# Altium PCB Copy of Back up 4.PcbDoc (part 1 of 3) (continued)
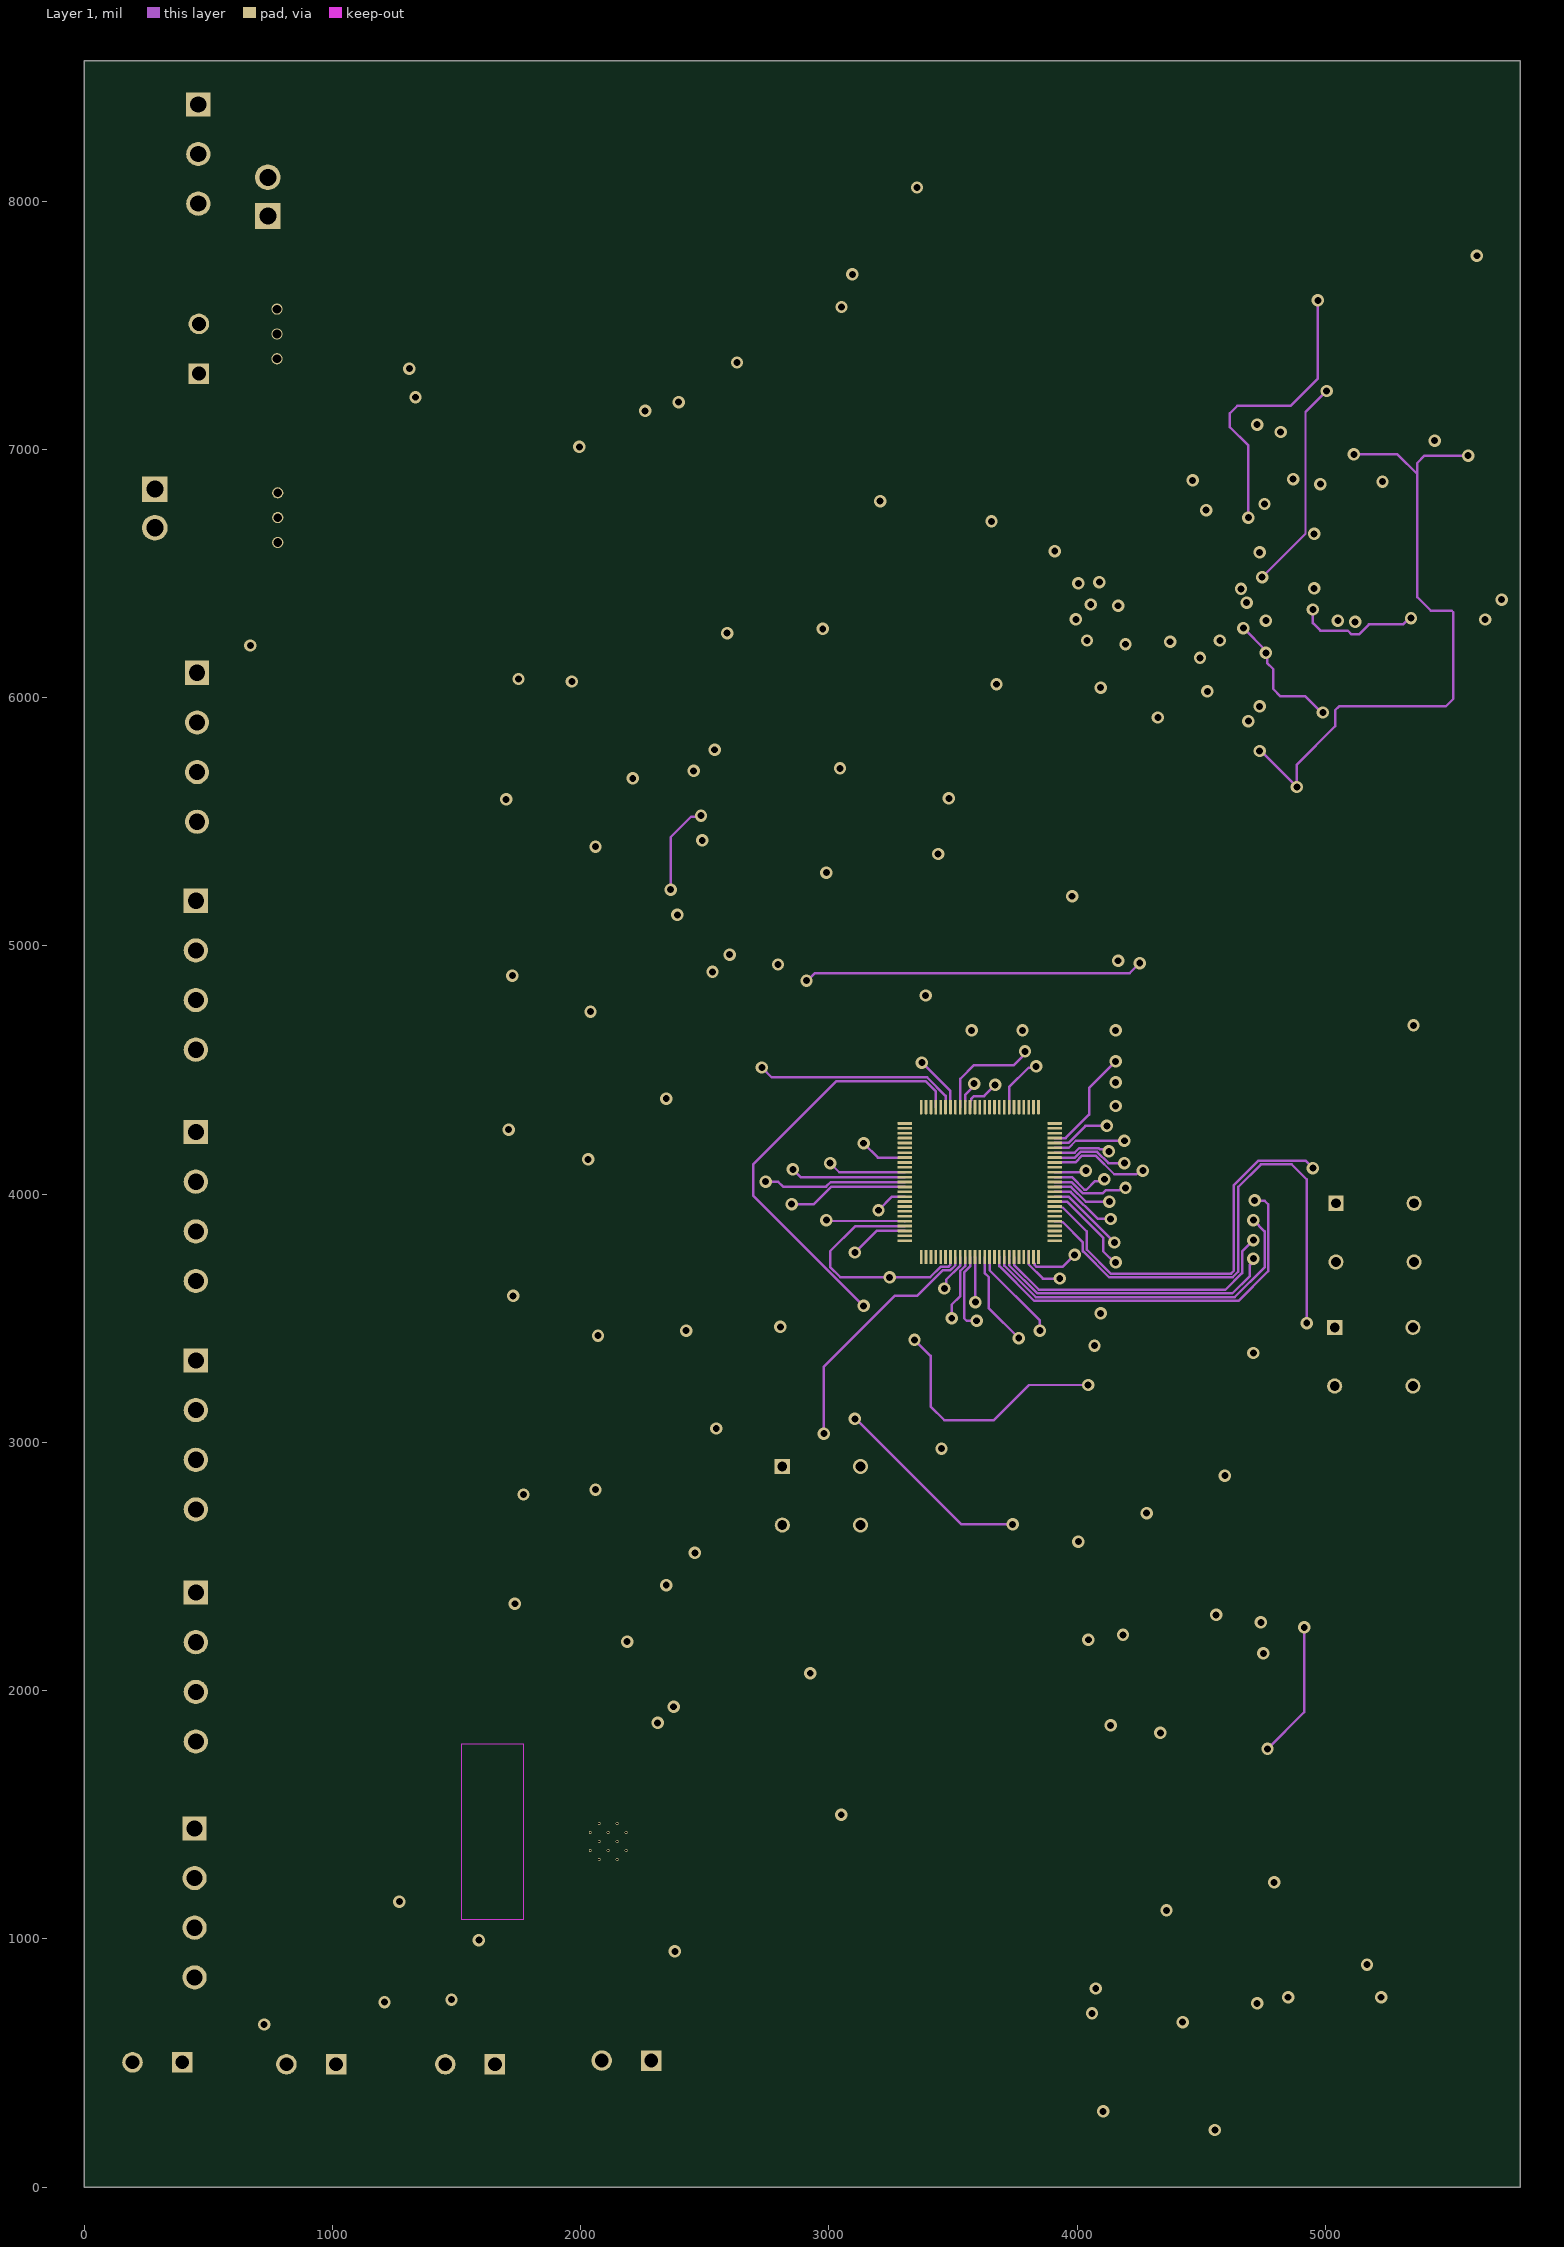
[diagram p3: Layer 1]
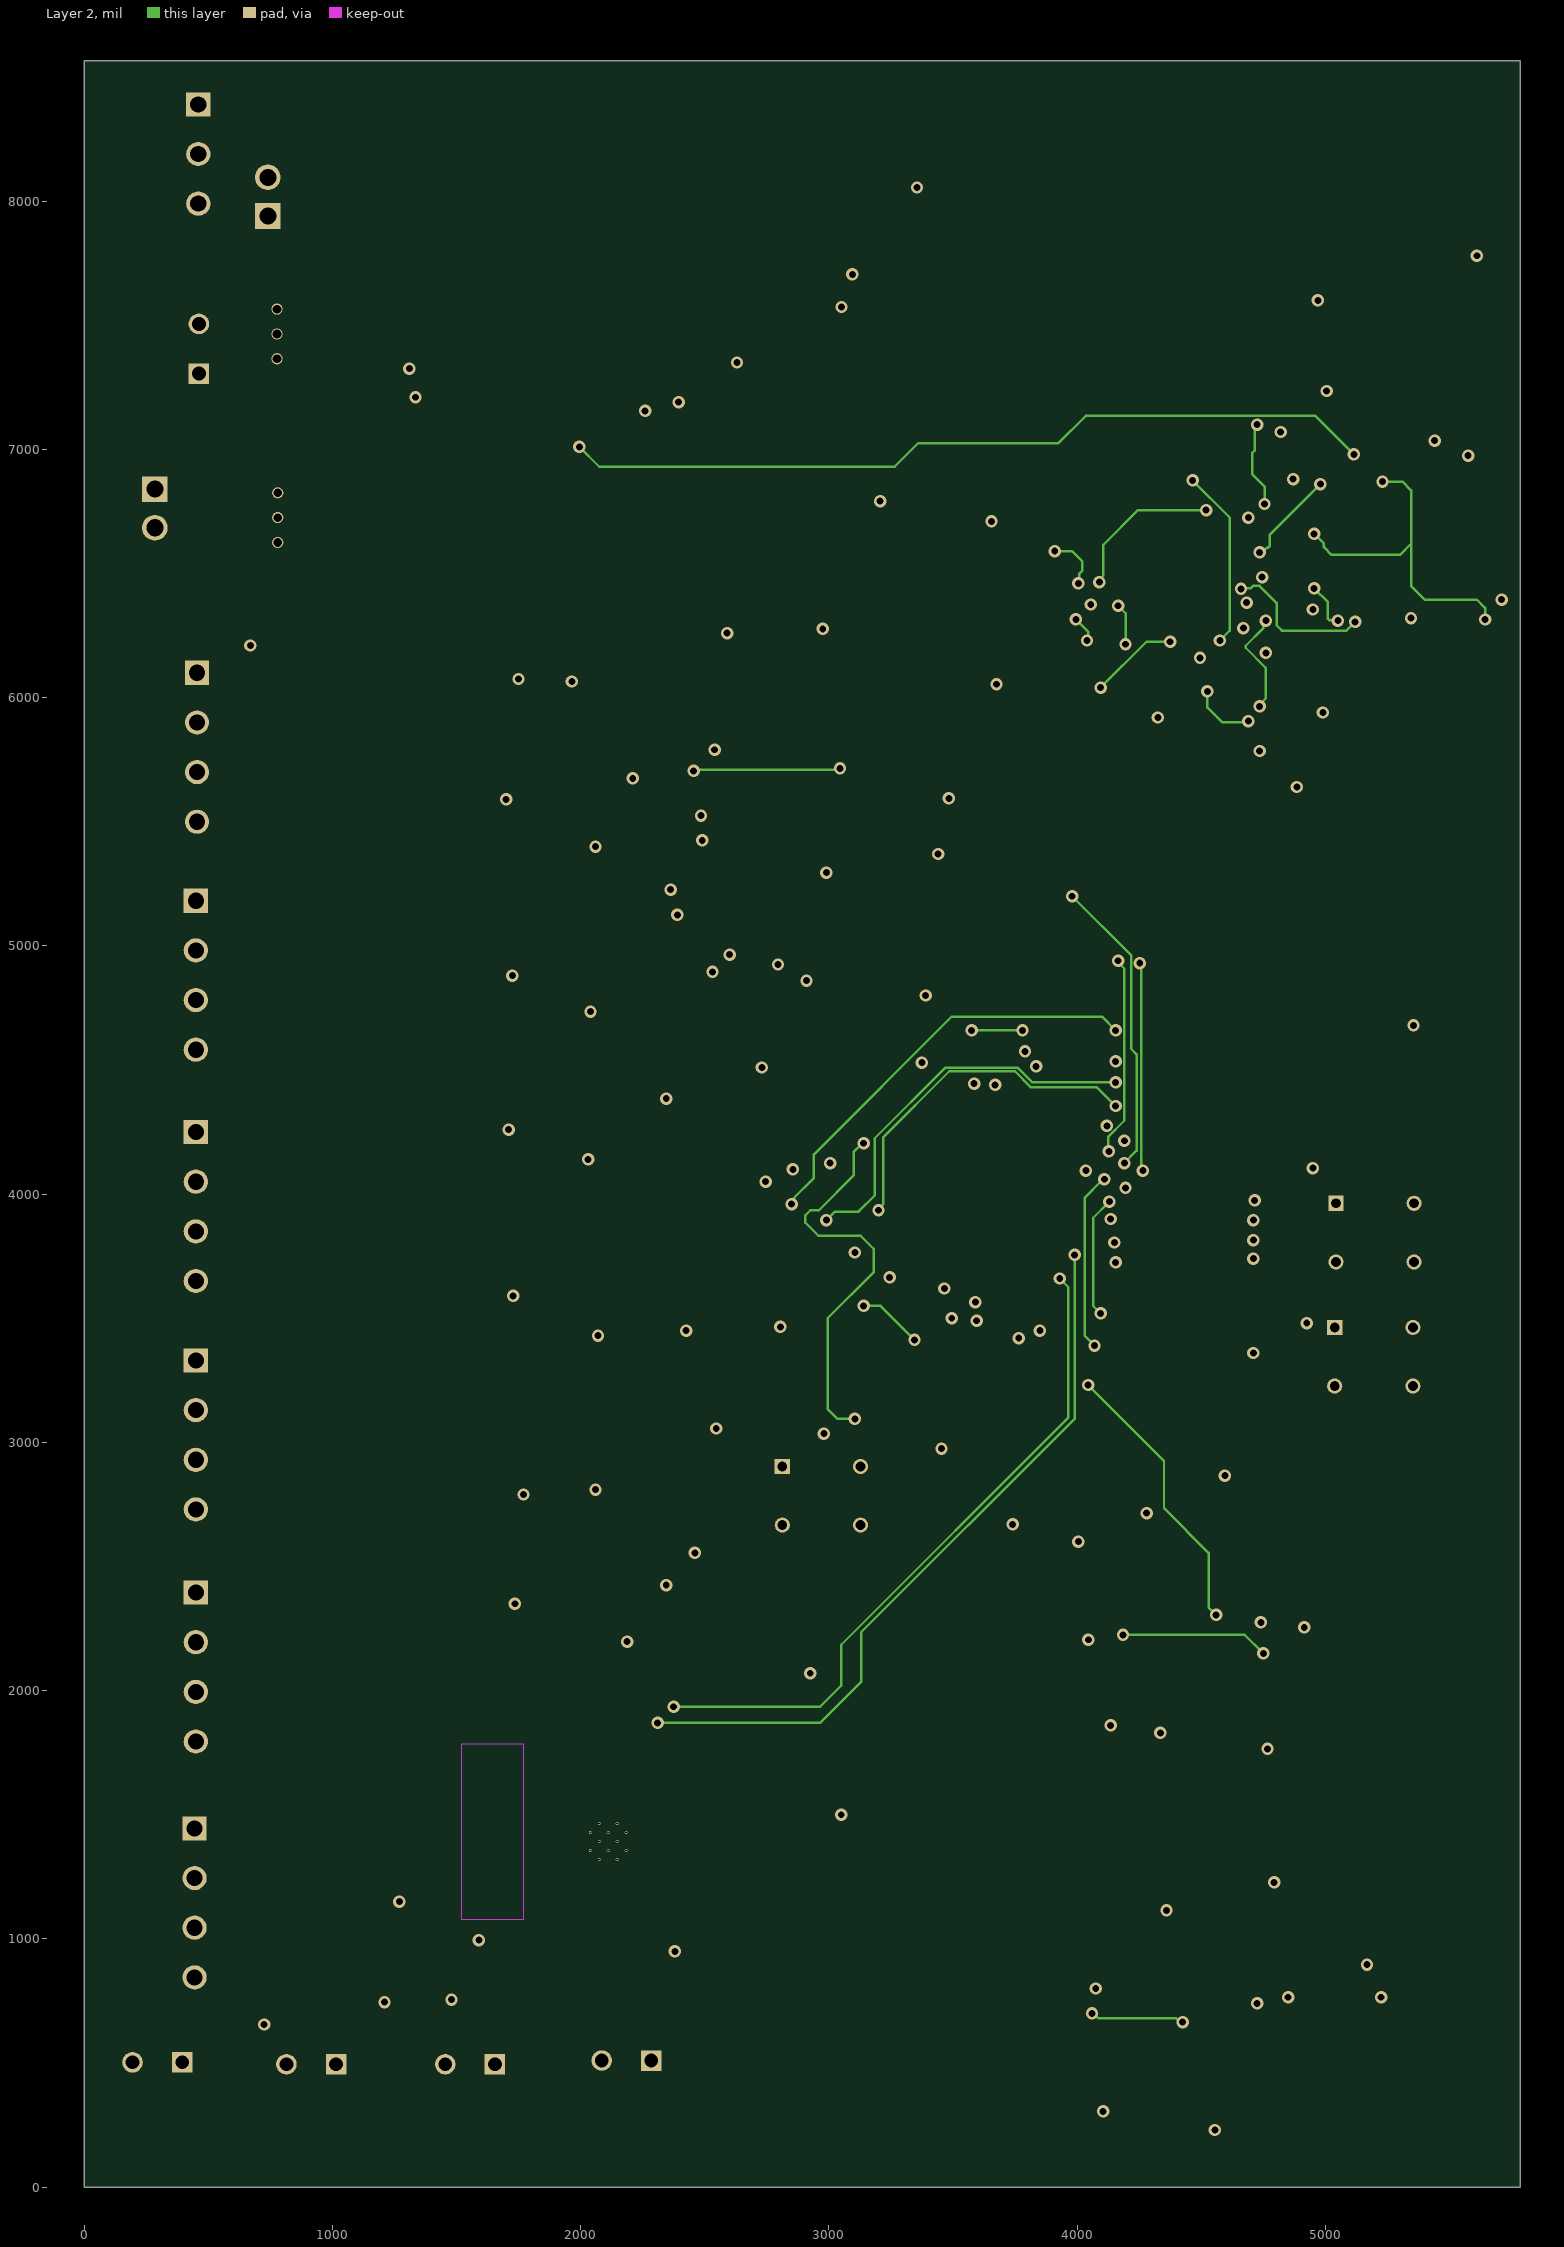
[diagram p4: Layer 2]
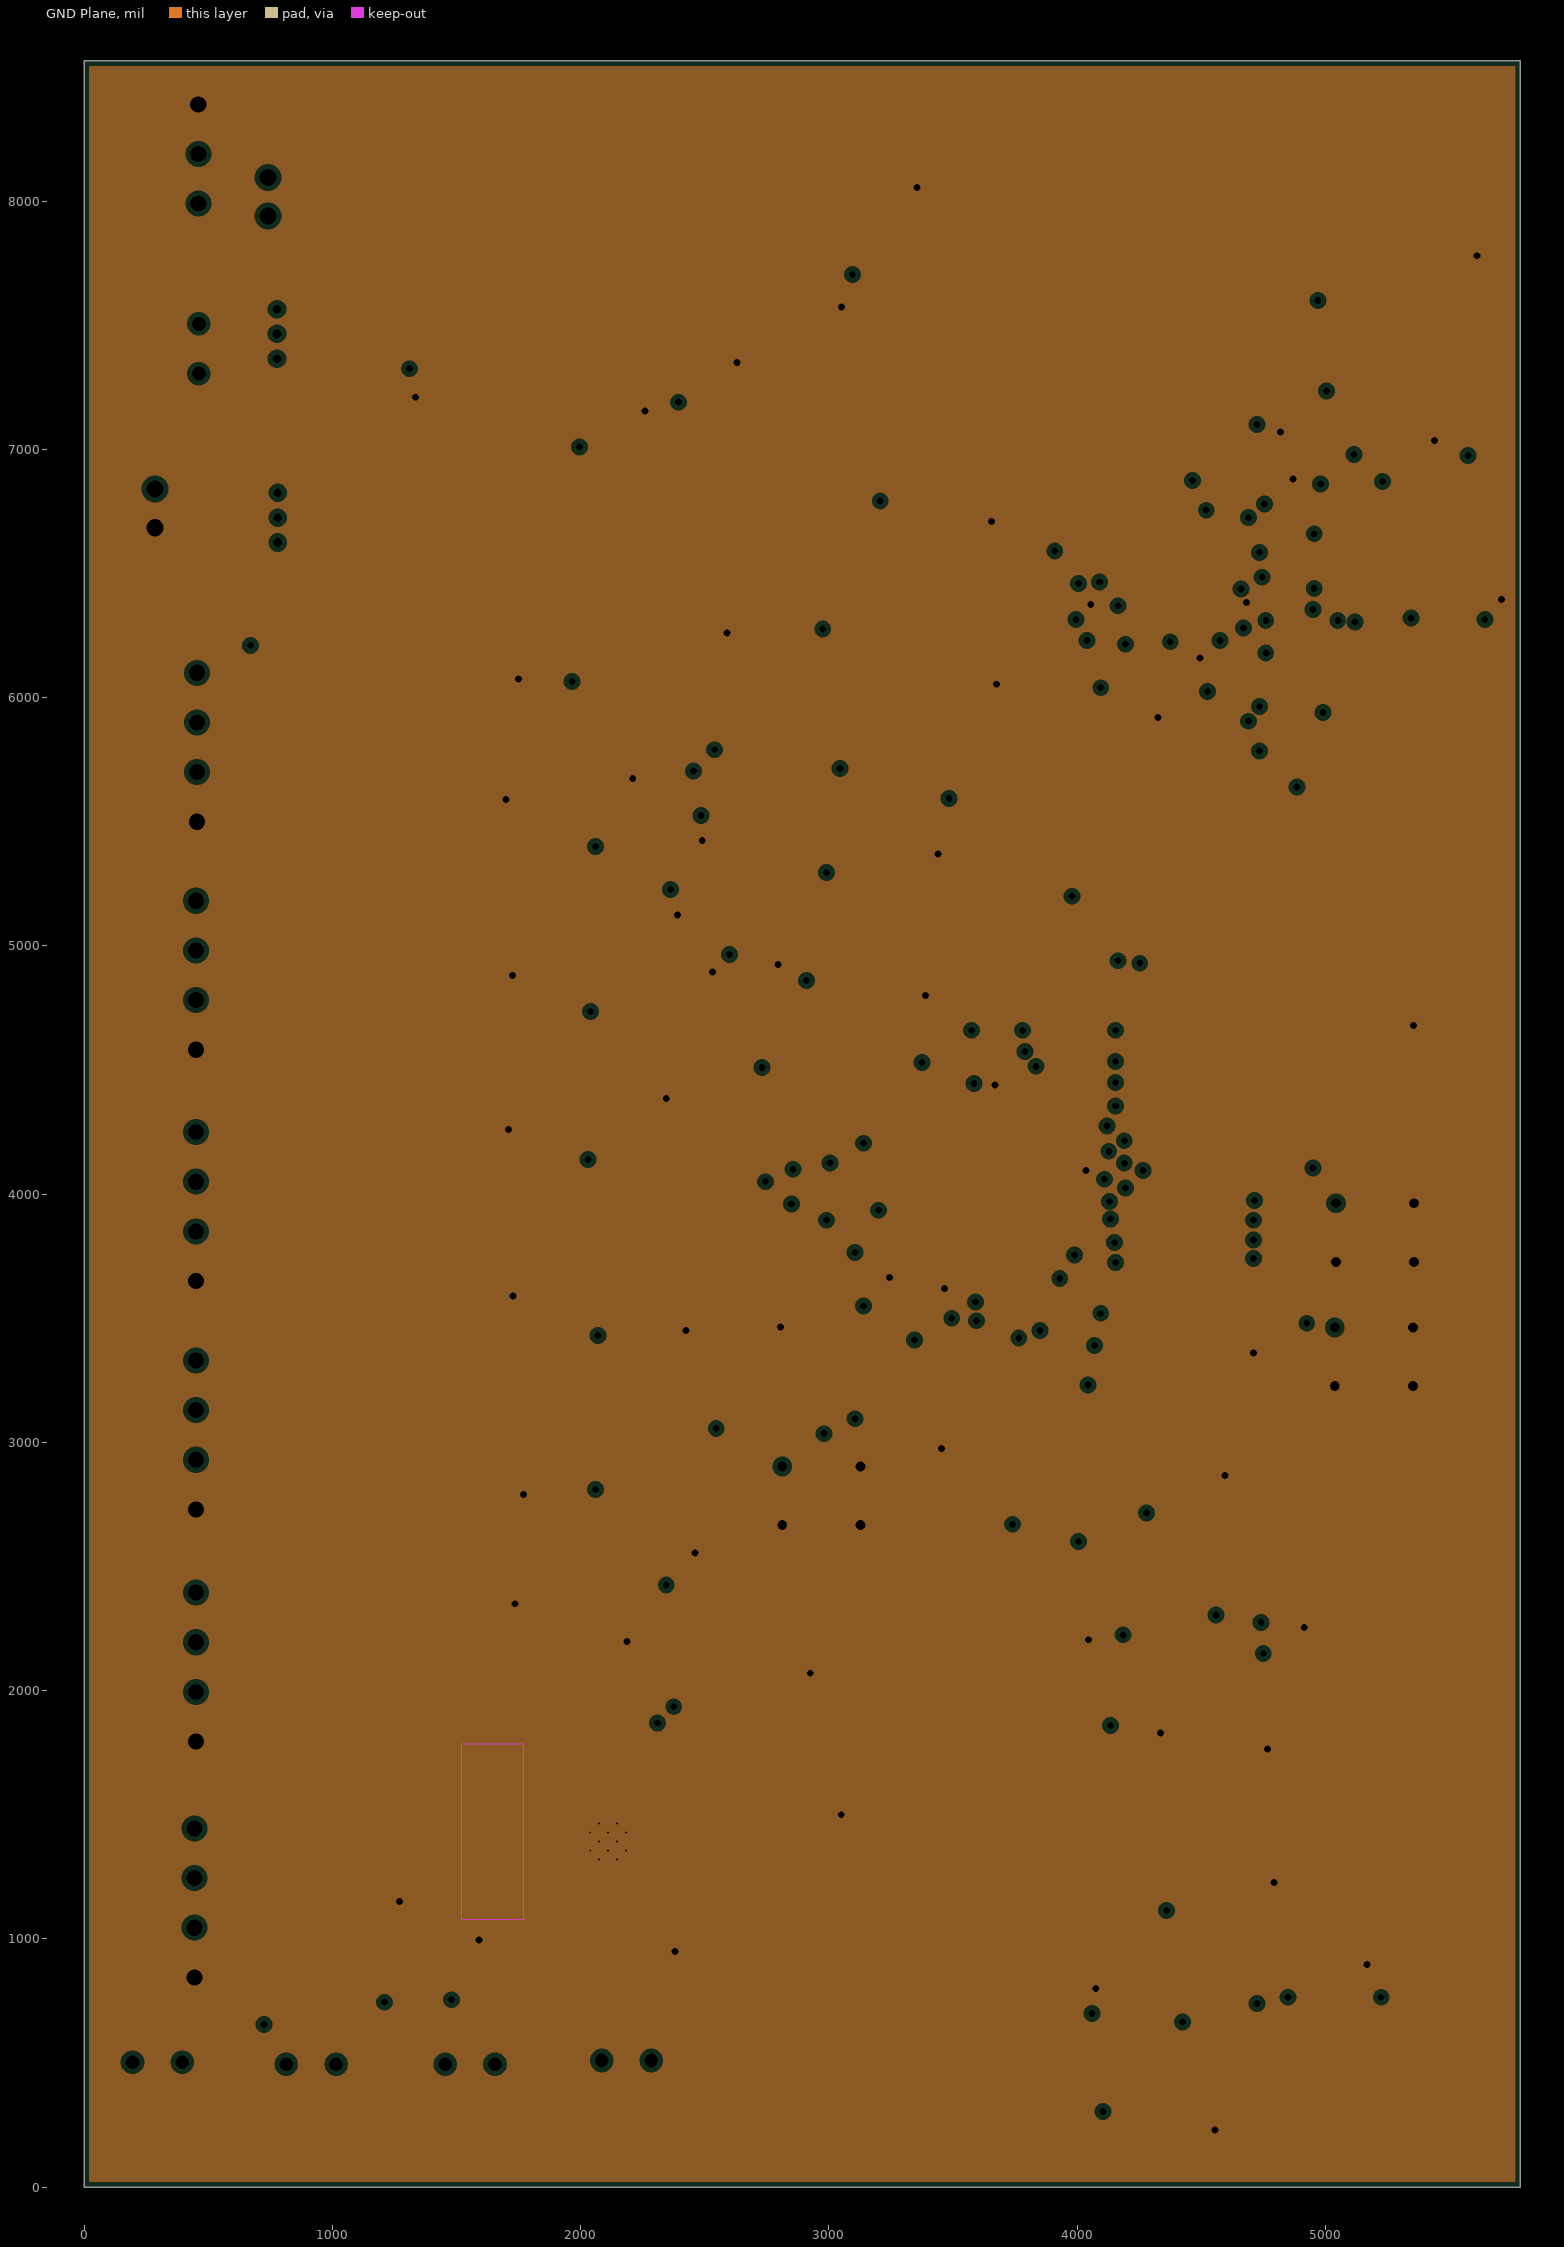
[diagram p5: GND Plane, clearances drawn from the general rule]

## Layer stack, top to bottom
Top Solder: solder mask 0.4, Solder Resist, Dk 3.5
Top Layer: signal copper 1.6
Dielectric 4: prepreg 2.8, PP-006, Dk 4.1
PWR Plane: plane copper 1.6, net (Multiple Nets)
Dielectric 6: prepreg 2.8, PP-006, Dk 4.1
Layer 1: signal copper 1.6
Dielectric 2: prepreg 2.8, PP-006, Dk 4.1
Dielectric 1: prepreg 12.6, FR-4, Dk 4.8
Dielectric 3: prepreg 2.8, PP-006, Dk 4.1
Layer 2: signal copper 1.6
Dielectric 7: prepreg 2.8, PP-006, Dk 4.1
GND Plane: plane copper 1.6, net GND
Dielectric 5: prepreg 2.8, PP-006, Dk 4.1
Bottom Layer: signal copper 1.6
Bottom Solder: solder mask 0.4, Solder Resist, Dk 3.5

## Board outline
0,0 5785,0 5785,8565 0,8565

## Design rules (kind name [scope] priority, off if disabled: settings)
Clearance Clearance_1 [All] p1: gap=5 ignorepadtopadclearanceinfootprint=FALSE except(0: THPad-Hole Via-Hole Fill-Hole Poly-Hole Region-Hole Text-Hole; 10: THPad-THPad THPad-Via THPad-Fill THPad-Poly THPad-Region THPad-Text Via-Via Via-Fill Via-Poly Via-Region Via-Text Fill-Fill Fill-Poly Fill-Region Fill-Text Poly-Poly Poly-Region Poly-Text Region-Region Region-Text Text-Text)
Clearance [All] p2: gap=10 ignorepadtopadclearanceinfootprint=TRUE except(0: Arc-Hole Track-Hole SMDPad-Hole THPad-Hole Via-Hole Fill-Hole Poly-Hole Region-Hole Text-Hole)
PlaneClearance [All] p1: clearance=20
PlaneConnect [All] p1: planeconnectstyle=Relief reliefexpansion=20 reliefentries=4 reliefconductorwidth=10 reliefairgap=10
PolygonConnect [All] p1: connectstyle=Relief reliefconductorwidth=10 reliefentries=4 polygonreliefangle="90 Angle" airgapwidth=10
RoutingVias [All] p1: holewidth=28 width=50 viastyle="Through Hole" minholewidth=28 minwidth=50 maxholewidth=28 maxwidth=50
SolderMaskExpansion [All] p1: expansion=4 istentingtop=FALSE
Width [All] p1: maxlimit=10 minlimit=5 preferedwidth=10 minimp=50.000000 maximp=50.000000 favimp=50.000000
28 further rules are at their usual default settings.

## Classes and differential pairs
channel class Dual_Flowmeter: U_Dual_Flowmeter1 U_Dual_Flowmeter2
component class U_Dual_Flowmeter2: C21_U_Dual_Flowmeter2 C22_U_Dual_Flowmeter2 C25_U_Dual_Flowmeter2 C26_U_Dual_Flowmeter2 C27_U_Dual_Flowmeter2 C28_U_Dual_Flowmeter2 R16_U_Dual_Flowmeter2 R17_U_Dual_Flowmeter2 R18_U_Dual_Flowmeter2 R19_U_Dual_Flowmeter2 R20_U_Dual_Flowmeter2 R21_U_Dual_Flowmeter2 R22_U_Dual_Flowmeter2 R23_U_Dual_Flowmeter2 R24_U_Dual_Flowmeter2 R25_U_Dual_Flowmeter2 R26_U_Dual_Flowmeter2 R27_U_Dual_Flowmeter2 R28_U_Dual_Flowmeter2 R29_U_Dual_Flowmeter2 U10_U_Dual_Flowmeter2
component class U_Dual_Flowmeter1: C21_U_Dual_Flowmeter1 C22_U_Dual_Flowmeter1 C25_U_Dual_Flowmeter1 C26_U_Dual_Flowmeter1 C27_U_Dual_Flowmeter1 C28_U_Dual_Flowmeter1 R16_U_Dual_Flowmeter1 R17_U_Dual_Flowmeter1 R18_U_Dual_Flowmeter1 R19_U_Dual_Flowmeter1 R20_U_Dual_Flowmeter1 R21_U_Dual_Flowmeter1 R22_U_Dual_Flowmeter1 R23_U_Dual_Flowmeter1 R24_U_Dual_Flowmeter1 R25_U_Dual_Flowmeter1 R26_U_Dual_Flowmeter1 R27_U_Dual_Flowmeter1 R28_U_Dual_Flowmeter1 R29_U_Dual_Flowmeter1 U10_U_Dual_Flowmeter1
channel class 4-20mA: U_4-20mA1 U_4-20mA2 U_4-20mA3 U_4-20mA4 U_4-20mA5 U_4-20mA6
component class U_PowerSystem: C31 C32 C33 C34 CR5 J8 J9 J10 "JP 1" U8 U9
component class U_MCU: C1 C2 C3 C4 C5 CU1 CU2 "L VSW1" "R AV1" RCore1 U1
component class "U_HFX LFX": CH1 CH2 CL1 CL2 Y1 Y2
component class U_Dual_Flowmeter_Interface: J11 J12 J13 J14
component class U_ESP32: C7 C8 C9 J1 R2 R3 R4 R5 S1 S2 U2
component class "U_Button and more": C6 JEPD1 R1 SW1 SW2 SW3
component class "U_Analog to Digital": CA1 CA2 CA3 CA4 CA5 CA6 U5 U6 "YA 1"
component class U_24V_DCDC_Conv: C18 C19 C24 C29 C41 C44 C45 C46 C47 C48 C49 C50 C53 CR6 CR7 CR8 CR9 D3 IC6 L3 Q5 Q6 Q7 Q8 R30 R31 R32 R33 R34 R35 R36 R37 R38 R39
component class U_5V_DCDC_Conv: C15 C16 C17 C23 D1 L1 U7
component class U_4-20mA_Inputs_(3-6): J5 J6 J7
component class U_4-20mA_Inputs_(1-3): J2 J3 J4
component class U_4-20mA6: _U_1_U_4-20mA6 _U_4-20mA6 _U_4-20mA6_U_4-20mA6 C12_U_4-20mA6 C20_U_4-20mA6 CF3_U_4-20mA6 F1_U_4-20mA6 RF1_U_4-20mA6 RF2_U_4-20mA6 U3_U_4-20mA6
component class U_4-20mA5: _U_1_U_4-20mA5 _U_4-20mA5 _U_4-20mA6_U_4-20mA5 C12_U_4-20mA5 C20_U_4-20mA5 CF3_U_4-20mA5 F1_U_4-20mA5 RF1_U_4-20mA5 RF2_U_4-20mA5 U3_U_4-20mA5
component class U_4-20mA4: _U_1_U_4-20mA4 _U_4-20mA4 _U_4-20mA6_U_4-20mA4 C12_U_4-20mA4 C20_U_4-20mA4 CF3_U_4-20mA4 F1_U_4-20mA4 RF1_U_4-20mA4 RF2_U_4-20mA4 U3_U_4-20mA4
component class U_4-20mA3: _U_1_U_4-20mA3 _U_4-20mA3 _U_4-20mA6_U_4-20mA3 C12_U_4-20mA3 C20_U_4-20mA3 CF3_U_4-20mA3 F1_U_4-20mA3 RF1_U_4-20mA3 RF2_U_4-20mA3 U3_U_4-20mA3
component class U_4-20mA2: _U_1_U_4-20mA2 _U_4-20mA2 _U_4-20mA6_U_4-20mA2 C12_U_4-20mA2 C20_U_4-20mA2 CF3_U_4-20mA2 F1_U_4-20mA2 RF1_U_4-20mA2 RF2_U_4-20mA2 U3_U_4-20mA2
component class U_4-20mA1: _U_1_U_4-20mA1 _U_4-20mA1 _U_4-20mA6_U_4-20mA1 C12_U_4-20mA1 C20_U_4-20mA1 CF3_U_4-20mA1 F1_U_4-20mA1 RF1_U_4-20mA1 RF2_U_4-20mA1 U3_U_4-20mA1
component class U_3.3V_Regulator: C10 C11 C13 C14 U4

## Components (designator, comment, footprint, x,y, rotation, side; value= is the part's Value field where it differs from the comment)
_U_1_U_4-20mA1 "1KSMB39CA" 1KSMBSeries_LTF 1052.08,4505 r270 top (schematic designator _U_1)
_U_1_U_4-20mA2 "1KSMB39CA" 1KSMBSeries_LTF 965,5840 r270 top (schematic designator _U_1)
_U_1_U_4-20mA3 "1KSMB39CA" 1KSMBSeries_LTF 1057.08,5188.49 r270 top (schematic designator _U_1)
_U_1_U_4-20mA4 "1KSMB39CA" 1KSMBSeries_LTF 1055,2625.98 r270 top (schematic designator _U_1)
_U_1_U_4-20mA5 "1KSMB39CA" 1KSMBSeries_LTF 1077.08,3218.99 r270 top (schematic designator _U_1)
_U_1_U_4-20mA6 "1KSMB39CA" 1KSMBSeries_LTF 1060,3875 r270 top (schematic designator _U_1)
C1 "T520A106M010ATE080" FP-T520A106M010ATE080-MFG 2925,3235.44 r270 top
C2 "CGA3E2X7R1H104K080AA" FP-CGA3E-0_3-0_1-IPC_A 3190,3220 r270 top
C3 "CGA3E2X7R1H104K080AA" FP-CGA3E-0_3-0_1-IPC_A 3325,3220 r270 top
C4 "CGA3E2X7R1H104K080AA" FP-CGA3E-0_3-0_1-IPC_A 2660,3233.2 r90 top
C5 "CGA3E2X7R1H104K080AA" FP-CGA3E-0_3-0_1-IPC_A 2790,3233.2 r90 top
C6 "12067C102KAT2A" CAPC3216X102X50LL20T25 2660,2680 r90 top
C7 "12063D106KAT2A" CAPC3216X229X50LL20T25 1210.85,966.26 r90 top
C8 "C1206C104K5RACTU" KEMT-1206-2_M 1380.85,970.32 r90 top
C9 "C1206C104K5RACTU" KEMT-1206-2_M 2100.85,951.26 r180 top
C10 "UUR1C221MCL6GS" FP-UUR1C221MCL6GS-MFG 2785,7813.7 r90 top
C11 "UUR1C221MCL6GS" FP-UUR1C221MCL6GS-MFG 3050,7225 r270 top
C12_U_4-20mA1 "C0603C104K5RACTU" FP-C0603C-CF-IPC_A 1565,4507.49 r270 top (schematic designator C12)
C12_U_4-20mA2 "C0603C104K5RACTU" FP-C0603C-CF-IPC_A 1475,5835 r270 top (schematic designator C12)
C12_U_4-20mA3 "C0603C104K5RACTU" FP-C0603C-CF-IPC_A 1565,5175 r270 top (schematic designator C12)
C12_U_4-20mA4 "C0603C104K5RACTU" FP-C0603C-CF-IPC_A 1595,2592.49 r270 top (schematic designator C12)
C12_U_4-20mA5 "C0603C104K5RACTU" FP-C0603C-CF-IPC_A 1585,3227.49 r270 top (schematic designator C12)
C12_U_4-20mA6 "C0603C104K5RACTU" FP-C0603C-CF-IPC_A 1590,3870 r270 top (schematic designator C12)
C13 "GRM022R60J104ME15L" CAPC0402X22N 3305,7480 r270 top
C14 "GRM022R60J104ME15L" CAPC2012X88N 1170,7155 r270 top
C15 "EEEHA1V470AP" CAP_EEEHA1V470AP 1470,7598.9 r90 top
C16 "C0805C104M5UACTU" CAPC2012X88N 2050,7135.55 r270 top
C17 "EEEHA1V470AP" CAP_EEEHA1V470AP 1770,7105 r270 top
C18 "C0603C104K5RACTU" FP-C0603C-CF-IPC_A 5320,4870 r0 top
C19 "C0603C104K5RACTU" FP-C0603C-CF-IPC_A 4260,6080 r0 top
C20_U_4-20mA1 "UUD1V4R7MCL1GS" NIC-CAPA2-4X5.8_V 1325,4510 r270 top (schematic designator C20)
C20_U_4-20mA2 "UUD1V4R7MCL1GS" NIC-CAPA2-4X5.8_V 1240,5820 r270 top (schematic designator C20)
C20_U_4-20mA3 "UUD1V4R7MCL1GS" NIC-CAPA2-4X5.8_V 1325,5165 r270 top (schematic designator C20)
C20_U_4-20mA4 "UUD1V4R7MCL1GS" NIC-CAPA2-4X5.8_V 1340,2600 r270 top (schematic designator C20)
C20_U_4-20mA5 "UUD1V4R7MCL1GS" NIC-CAPA2-4X5.8_V 1335,3225 r270 top (schematic designator C20)
C20_U_4-20mA6 "UUD1V4R7MCL1GS" NIC-CAPA2-4X5.8_V 1320,3844.13 r270 top (schematic designator C20)
C21_U_Dual_Flowmeter1 "C1206C222K5RACTU" FP-C1206C-EB-IPC_A 4575,1130.91 r90 top (schematic designator C21)
C21_U_Dual_Flowmeter2 "C1206C222K5RACTU" FP-C1206C-EB-IPC_A 4600,2610.91 r90 top (schematic designator C21)
C22_U_Dual_Flowmeter1 "C1206C222K5RACTU" FP-C1206C-EB-IPC_A 4310,470.91 r270 top (schematic designator C22)
C22_U_Dual_Flowmeter2 "C1206C222K5RACTU" FP-C1206C-EB-IPC_A 4610,1990 r270 top (schematic designator C22)
C23 "C0603C104K5RACTU" FP-C0603C-CF-IPC_A 1275,7565 r90 top
C24 "UUD1V220MCL1GS" NIC-CAPA2-5X5.8_V 5335,5170 r0 top
C25_U_Dual_Flowmeter1 "GRM21BR61E106KA73L" FP-GRM21B-0_15-IPC_A 4745,1050 r180 top (schematic designator C25)
C25_U_Dual_Flowmeter2 "GRM21BR61E106KA73L" FP-GRM21B-0_15-IPC_A 4770,2525 r180 top (schematic designator C25)
C26_U_Dual_Flowmeter1 "GRM21BR61E106KA73L" FP-GRM21B-0_15-IPC_A 4675,450 r90 top (schematic designator C26)
C26_U_Dual_Flowmeter2 "GRM21BR61E106KA73L" FP-GRM21B-0_15-IPC_A 4995,1980 r270 top (schematic designator C26)
C27_U_Dual_Flowmeter1 "GRM21BR61E106KA73L" FP-GRM21B-0_15-IPC_A 5146.47,1050 r0 top (schematic designator C27)
C27_U_Dual_Flowmeter2 "GRM21BR61E106KA73L" FP-GRM21B-0_15-IPC_A 5101.43,2520 r0 top (schematic designator C27)
C28_U_Dual_Flowmeter1 "GRM21BR61E106KA73L" FP-GRM21B-0_15-IPC_A 4925,458.53 r270 top (schematic designator C28)